# KiCad board Skinny Chameleon.kicad_pcb (continued)
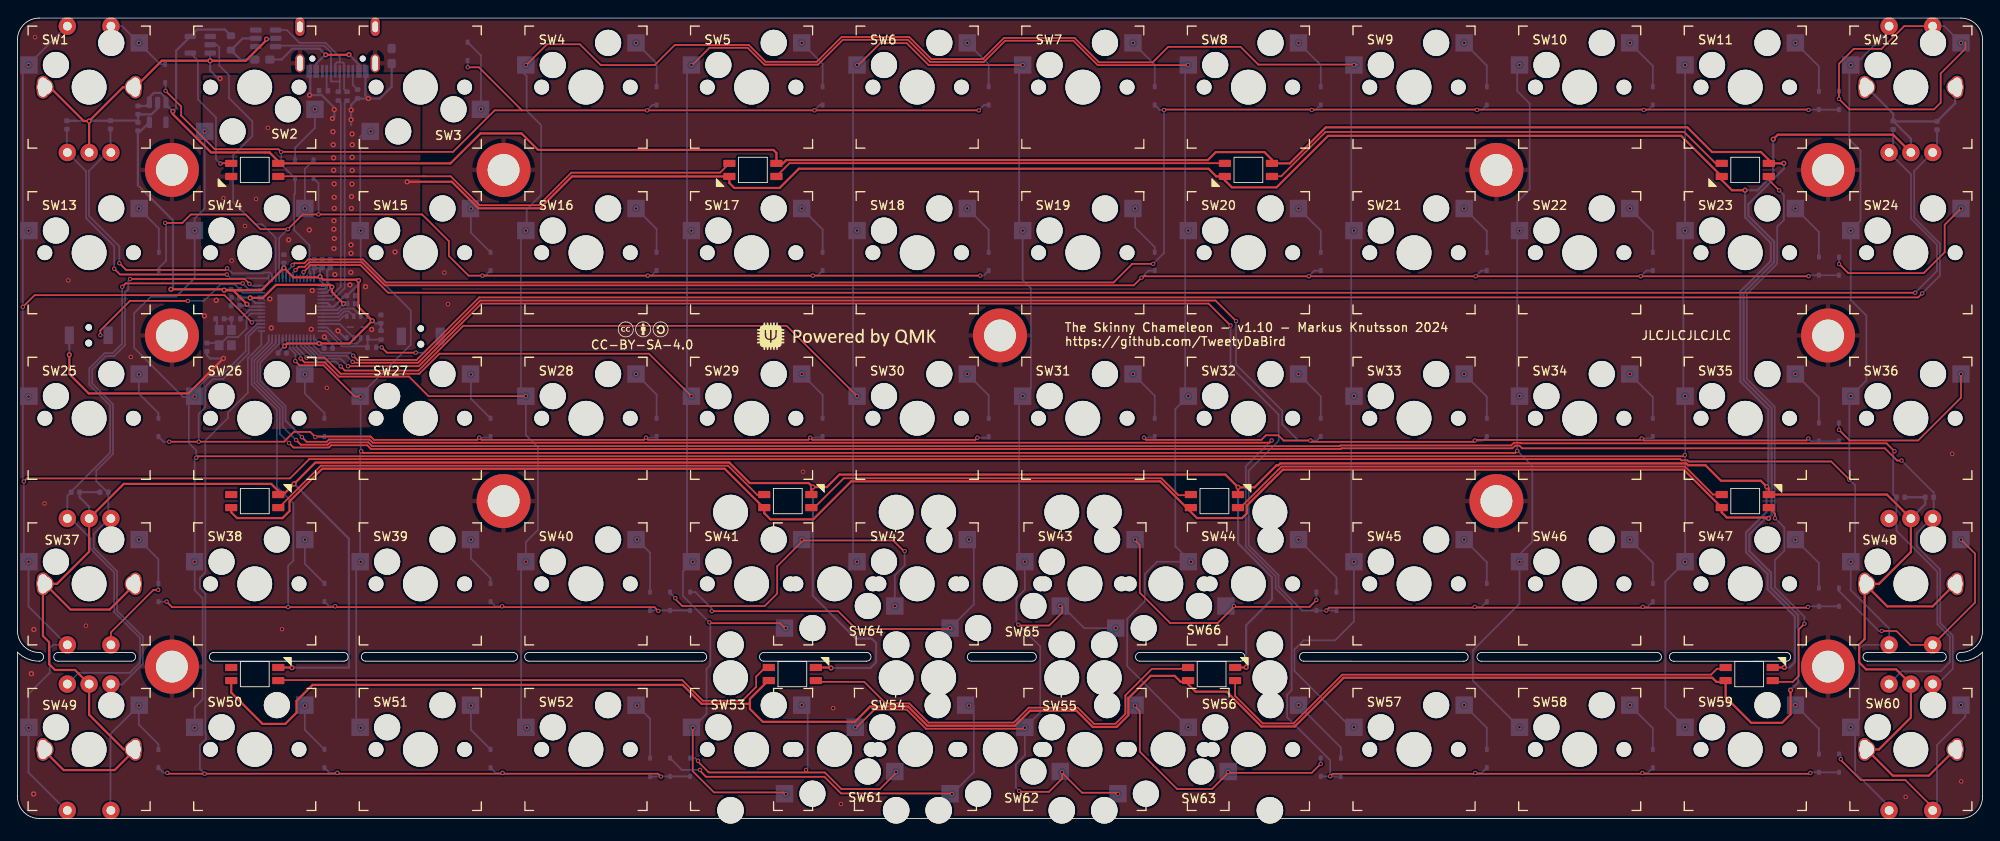
[diagram p0: board, top side]
## Routing (per net, layer and track width the routed paths; a pad name or vN(x,y) marks a point on that pad's centre or on a via; arc(x,y) is an arc through that point) (continued)
Net-(D43-A): length 29.9
  Top w0.2: v1(149.03,25.07) 148.25,24.29 139.56,24.29 137.71,22.44 132.25,22.44 128.76,25.92 128.76,31.36 128.22,31.91
  Bottom w0.2: D43.2 v1(149.02,25.07)
  vias: v1(128.22,32.01) v1(139.56,24.39)
Net-(D44-A): length 7.8
  Bottom w0.2: D44.2 151.32,27.65 v1(146.97,32.01)
Net-(D45-A): length 6.1
  Bottom w0.2: D45.2 168.57,29.41 v1(165.98,32.01)
Net-(D46-A): length 6.1
  Bottom w0.2: D46.2 187.62,29.36 v1(184.98,32.01)
Net-(D47-A): length 6.7
  Bottom w0.2: v1(203.98,32.01) 206.68,29.31 D47.2
Net-(D50-A): length 6
  Bottom w0.2: D50.2 32.98,10.17 v1(32.98,12.96)
Net-(D51-A): length 6
  Bottom w0.2: D51.2 52.02,10.18 v1(52.02,12.96)
Net-(D52-A): length 6.7
  Bottom w0.2: D52.2 72.58,11.45 v1(71.07,12.96)
Net-(D53-A): length 33.6
  Top w0.2: 78.08,6.52 79.31,5.29 92.63,5.29 94.53,3.39 98.95,3.39 100.8,5.24
  Bottom w0.2: v1(78.08,6.62) 77.78,6.93 D53.2 ; v1(89.98,13.01) 90.67,12.32 90.67,5.77 v1(90.48,5.58)
  vias: v1(100.8,5.34)
Net-(D54-A): length 45.2
  Top w0.2: 78.31,5.48 79,4.79 92.58,4.79 94.48,2.88 107.02,2.88 107.2,2.7
  Bottom w0.2: v1(107.2,2.8) 107.2,2.8 109.71,5.31 109.71,12.96 ; v1(78.31,5.58) 76.23,5.58 D54.2
  vias: v1(109.17,12.96)
Net-(D55-A): length 29.8
  Top w0.2: v1(149.52,6.28) 148.49,5.24 138.9,5.24 137.05,3.39 133.05,3.39 128.76,7.67 128.76,12.32 128.23,12.86
  Bottom w0.2: 149.52,6.97 v1(149.52,6.28)
  vias: v1(128.23,12.96) v1(138.9,5.34)
Net-(D56-A): length 8.1
  Bottom w0.2: v1(146.98,13.01) 151.82,8.16 D56.2
Net-(D57-A): length 6.2
  Bottom w0.2: D57.2 168.57,10.41 v1(165.98,13.01)
Net-(D58-A): length 6.2
  Bottom w0.2: v1(184.98,13.01) 187.62,10.36 D58.2
Net-(D59-A): length 6.7
  Bottom w0.2: v1(203.98,13.01) 206.68,10.31 D59.2
Net-(FB1-Pad1): length 15.2
  Top w0.254: v2(38.04,87.66) 38.02,87.64 v2(35.36,87.64)
  Bottom w0.254: 28.86,87.1 30.31,87.1 31.55,88.34 34.66,88.34 v2(35.36,87.64) 35.3,87.64 34.28,86.61 34.28,85.5 ; v2(38.04,87.66) 39.17,86.52 39.17,85.5
Net-(R4-Pad2): length 8.4
  Top w0.2: v1(41.78,54.07) 42.39,53.46 v1(45.69,53.46)
  Bottom w0.2: v1(45.69,53.46) 46.63,53.46 SW68.2 ; R4.2 v1(41.78,54.07)
Net-(RGB1-DIN): length 15.4
  Top w0.2: 23.29,75.2 24.52,75.2
  Bottom w0.2: U4.4 20.7,86.98 20.7,82.52 22.77,80.45 22.77,75.67 v1(23.29,75.16)
Net-(RGB1-DOUT): length 55.3
  Top w0.2: 46.59,73.7 46.76,73.7 ; 46.59,73.7 49.7,73.7 53.03,70.38 59.81,70.38 63.56,74.12 80.61,74.12 RGB2.4 ; 46.59,73.7 29.93,73.7
Net-(RGB2-DOUT): length 52.1
  Top w0.2: 87.08,73.7 88.58,75.2 138.5,75.2 RGB3.4
Net-(RGB3-DOUT): length 54.9
  Top w0.2: 144.23,73.7 144.99,73.7 150.08,78.79 191.21,78.79 194.82,75.18 RGB4.4
Net-(RGB4-DOUT): length 68.7
  Top w0.2: v1(202.12,72.08) 200.5,73.7 ; v1(205.01,22.35) 204.36,21.69 204.36,16.36 203.68,15.68 201.38,15.68 ; v1(201.63,34.46) 201.63,34.97 RGB5.4
  Bottom w0.2: v1(202.12,72.08) 202.66,71.55 202.66,68.69 201.89,67.92 201.89,63.67 198.39,60.18 198.39,50.45 201.61,47.24 201.61,34.49 v1(201.63,34.46) 202.7,33.39 202.7,30.73 201.63,29.65 201.63,26.53 205.01,23.15 v1(205.01,22.35)
Net-(RGB5-DOUT): length 58.6
  Top w0.2: RGB5.2 194.53,37.18 191.31,40.39 145.03,40.39 144.68,40.04 144.67,40.04 140.23,35.6
Net-(RGB6-DOUT): length 46
  Top w0.2: 91.08,35.6 91.35,35.6 94.79,39.04 131.25,39.04 133.19,37.1 134.82,37.1
Net-(RGB7-DOUT): length 59.2
  Top w0.2: 85.67,37.1 84.91,37.1 81.52,40.49 34.81,40.49 29.93,35.6
Net-(RGB10-DIN): length 61.8
  Top w0.2: 195.98,17.18 194.96,17.18 194.3,16.51 151.99,16.51 146.4,10.91 142.87,10.91 139.7,14.08 139.7,15.68
Net-(RGB10-DOUT): length 50
  Top w0.2: 134.3,17.18 130.16,17.18 127.11,14.13 127.11,12.01 125.95,10.86 123.52,10.86 121.65,12.72 116.02,12.72 114.3,11.01 104.52,11.01 102.33,13.21 99.63,13.21 97.16,15.68 91.6,15.68
Net-(RGB11-DOUT): length 59.5
  Top w0.2: RGB12.4 29.98,15.89 76.27,15.89 78.64,13.51 83.16,13.51 84.75,15.1 84.75,16.29 85.64,17.18 86.2,17.18
Net-(U2-CLK): length 4.2
  Bottom w0.2: U2.6 38.03,58.2 37.5,58.2 36.85,57.55 U3.52
Net-(U2-DI(IO0)): length 3.1
  Bottom w0.2: U3.53 36.91,57.15 37.41,57.65 U2.5
Net-(U2-DO(IO1)): length 5.7
  Bottom w0.2: U2.2 39.39,54.93 38.97,54.51 37.35,54.51 35.58,56.27 35.58,56.27 35.5,56.35 U3.55
Net-(U2-IO2): length 4.4
  Bottom w0.2: U3.54 36.98,56.75 U2.3
Net-(U2-IO3): length 5.1
  Bottom w0.2: U3.51 36.78,57.95 37.36,58.52 38.51,58.52 U2.7
Net-(U2-~{CS}): length 8.6
  Bottom w0.2: U3.56 35.45,55.95 37.21,54.18 40.17,54.18 40.22,54.23 40.19,54.26 U2.1 40.38,54.96 R7.2
Net-(U3-RUN): length 22.5
  Top w0.2: v1(19.55,59.4) 12.91,59.4 9.52,56.01 v1(9.52,55.46)
  Bottom w0.2: v1(19.55,59.4) 21.42,59.4 23.31,61.29 24.95,61.29 R3.2 25.89,60.35 U3.26 ; v1(9.52,55.46) SW67.2
Net-(U3-XIN): length 8.6
  Bottom w0.2: C14.1 22.88,54.57 Y1.1 24.09,55.25 25.3,55.25 25.33,55.28 25.34,55.28 26.29,56.22 26.29,57.43 26.8,57.95 U3.20
Net-(U3-XOUT): length 2.8
  Bottom w0.2: U3.21 26.6,58.35 25.6,57.35 R10.1
Net-(USB1-CC1): length 2.3
  Bottom w0.2: 35.58,83.66 35.73,83.51 ; 35.48,85.5 35.48,83.66 R1.2
Net-(USB1-CC2): length 2.1
  Bottom w0.2: 38.48,85.5 38.48,84.2 R2.1

## Copper pours and planes (outline as drawn; the poured copper is in the pictures)
GND on Top, Bottom: 21.25,85.31 21.29,44.53 46.14,45 46.26,85.44
Earth_Protective on Top, Bottom: 229.55,94.71 230.21,-5.66 -4.32,-5.66 -4.36,-5.62 -4.2,95.75

## Text on the board
B.Silkscreen: BOOT | RESET | To use the 4x12 layout, break away the bottom row. / First, use an exacto knife or a small rotary tool to score the tabs for a clean break. / File off any remaining sharp edges.
F.Silkscreen: JLCJLCJLCJLC | The Skinny Chameleon - v1.10 - Markus Knutsson 2024 / https://github.com/TweetyDaBird
